# Altium PCB PCB1.PcbDoc (part 1 of 4) (continued)
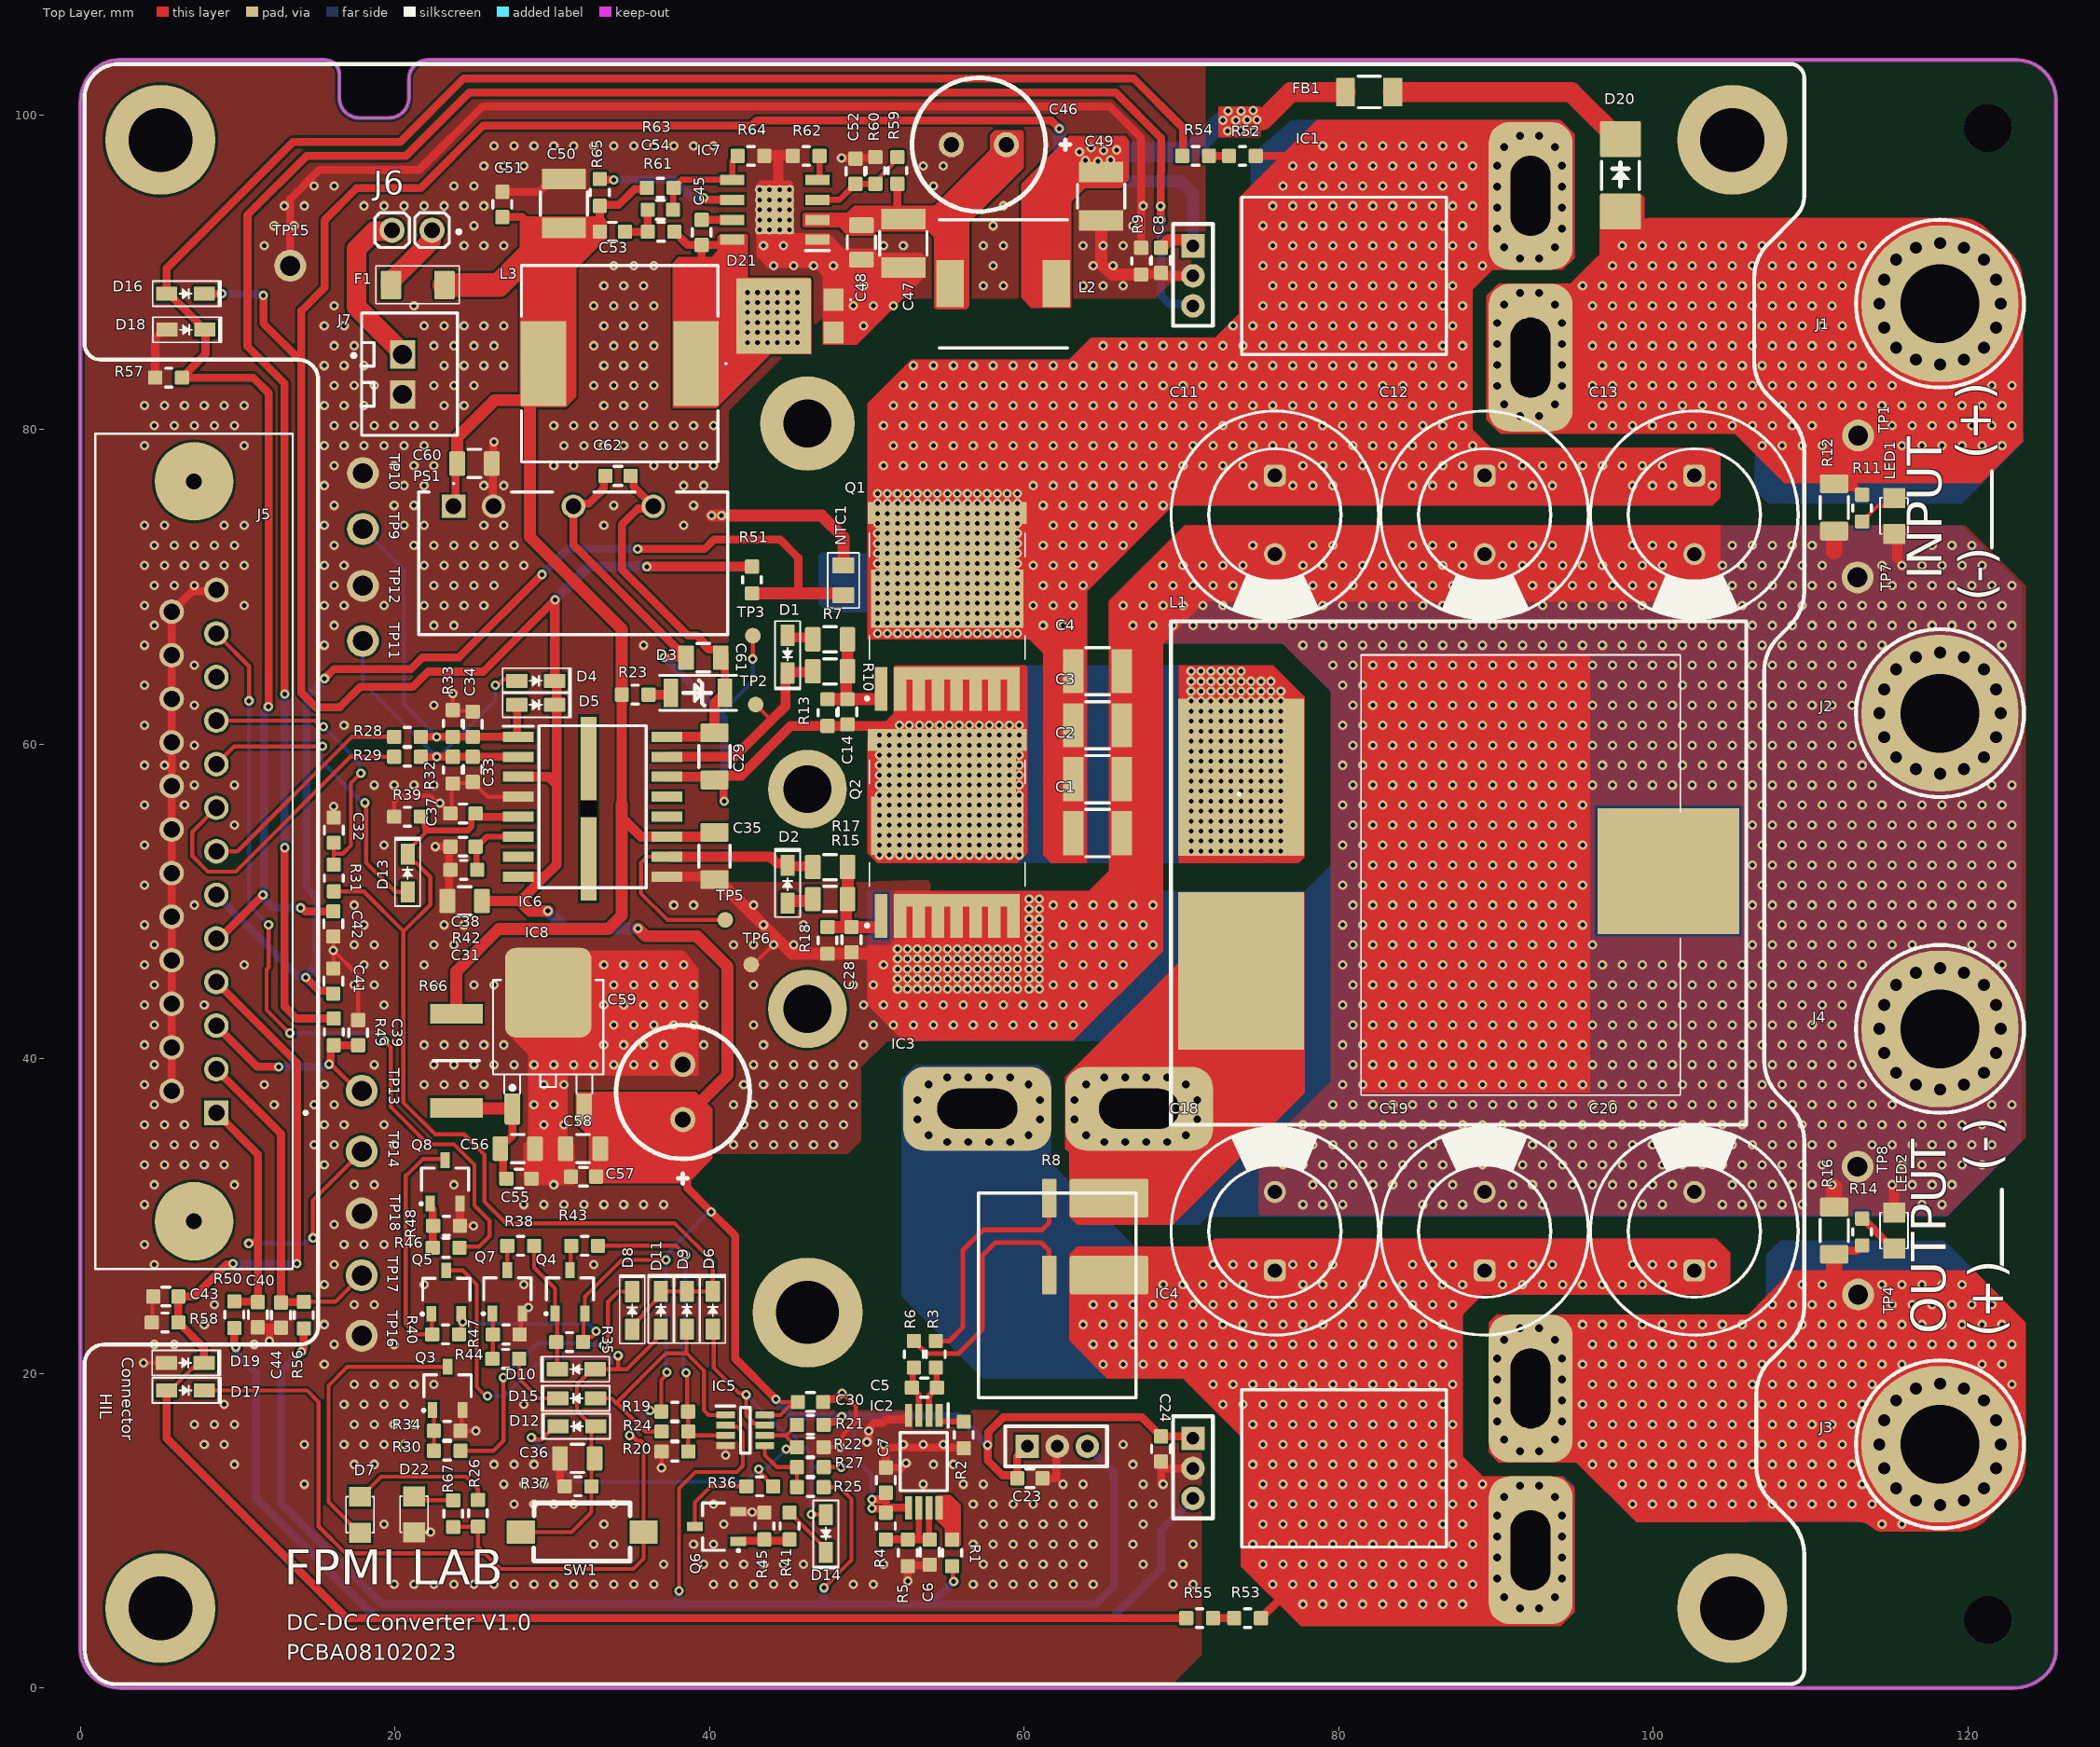
[diagram p0: Top Layer view]
## Footprints (in the part's own frame and the unit in brackets; to place one, negate y for a bottom-side part, rotate by r counter-clockwise, add the part's x,y. Pads: shape width x height; smd on the part's side, far side on the other; paste and mask are expansions set on the pad) (continued)
  round 5 hole 1 unplated: ""(-23.52,0) ""(23.52,0)
  silkscreen extent -26.55,-6.27 26.55,7.2
TO252-123 [mm]
  round 0.5 on Mech15: 0(0,0)
  rrect25% 1x2 smd mask+0.07: 1(-2.285,-3.7) 3(2.285,-3.7)
  rrect25% 5.5x5.7 smd mask+0.07: 2(0,3.7)
  silkscreen extent -3.5,-2.7 3.5,4.5, body extent -3.3,-3.95 3.3,5.76, height 2.31
TP_1mm [mm] "Surface"
  round 1 smd mask+0.07: 1(0,0)
  body extent -0.5,-0.5 0.5,0.5, height 0.2
TP_1mm_through_hole [mil]
  round 80 hole 50: 1(0,0)
  body extent -45,-45 45,45, height 197
V8P12M386A [mm]
  rect 1.4x1.27 smd: 1(1.04,-2.765) 2(-1.04,-2.765)
  rect 4.8x4.72 smd: 3(0,1.04)
  silkscreen extent 0.99,-3.9 1.09,-3.8, body extent -2.15,-3.27 2.15,3.05, height 1.3

## Part data
C1 C2 C3 C4 C15 C16 C17 C25 C26 C27 C47 C49: library part "Cap 1210", "CAP CER 4.7uF 80V X7R 1210", Manufacturer="TDK Corporation", Package=1210, Category=Capacitors, Description std="CAP CER 4.7UF 100V X7S 1210", Digikey Price/1kU=0.56250, Digikey Price/1unit=1.64, Link=https://www.digikey.com/product-detail/en/tdk-corporation/C3225X7S2A475M200AB/445-6043-2-ND/2443521, Part Number=GRM32ER71K475KE14L
C5: library part Cap_Cer_0603_1nF, "CAP CER DNF 100V X7R 0603", Manufacturer="Murata Electronics", Part Number=GCM188R71E102KA37D, Description SEL="CAP CER 1000PF 25V X7R 0603", Footprint Type=SMD, Part Code=S1200-000081, Point=2
C6 C7: library part Cap_Cer_0603_1nF, "CAP CER 0.1UF 50V X7R 0603", Manufacturer="Murata Electronics", Part Number=GCM188R71E102KA37D, Description SEL="CAP CER 1000PF 25V X7R 0603", Footprint Type=SMD, Part Code=S1200-000081, Point=2
C8 C23 C24 C32: library part Cap_Cer_0603_1nF_25V, "CAP CER 0.1UF 16V X5R 0603", Manufacturer="Murata Electronics", Part Number=CL21A106KOCLRNC, Description SEL="CAP CER 10UF 16V X5R 0805", Footprint Type=SMD, Part Code=S1200-000082, Point=2
C9 C10 C21 C22 C29 C35: library part Cap_Cer_1206_1uF, "Ceramic Capacitor 1206 (+-10% TH)/(+10%SMD)", Manufacturer="TDK Corporation", Part Number=C3216X7R2A105K160AA, Description SEL="CAP CER 1UF 100V X7R 1206", Footprint Type=SMD, Part Code=S1200-000129, Point=2
C11 C12 C13 C18 C19 C20: library part 100ZLH470MEFC16X31.5, "CAP ALUM 470UF 20% 80V RADIAL", Arrow Part Number=EEU-FS1K471L, Manufacturer_Name="Panasonic Electronic Components", Arrow Price/Stock=https://www.arrow.com/en/products/100zlh470mefc16x31.5/rubycon?region=nac, Height=33.5mm, Mouser Part Number=EEU-FS1K471L, Mouser Price/Stock=https://www.digikey.com/en/products/detail/panasonic-electronic-components/EEU-FS1K471L/9597020, Part Number=EEU-FS1K471L
C14 C28: library part Cap_Cer_0603_1nF_25V, "CAP CER 0805 4.7NF 50V C0G 5%", Manufacturer=KEMET, Part Number=C0805C472J5GECAUTO, Description SEL="CAP CER 0805 4.7NF 50V C0G 5%", Footprint Type=SMD, Part Code=S1200-000082, Point=2
C30: library part Cap_Cer_0603_1nF_25V, "CAP CER 10UF 16V X5R 0805", Manufacturer="Murata Electronics", Part Number=CL21A106KOCLRNC, Description SEL="CAP CER 10UF 16V X5R 0805", Footprint Type=SMD, Part Code=S1200-000082, Point=2
C31 C36 C56 C58: library part Cap_Cer_0805_10pF, "CAP CER 10uF 16V X7R 0805", Manufacturer=Kemet, Part Number=CL21A106KOCLRNC, Description SEL="CAP CER 10uF 16V X7R 0805", Footprint Type=SMD, Part Code=S1200-000116, Point=2
C33 C34 C37 C38 C39 C40 C42 C43 C44: library part Cap_Cer_0603_1nF_25V, "CAP CER 1nF 50V X7R 0603", Manufacturer="Murata Electronics", Part Number=GCM188R71E102KA37D, Description SEL="CAP CER 1000PF 25V X7R 0603", Footprint Type=SMD, Part Code=S1200-000082, Point=2
C41 C55 C57 C62: library part Cap_Cer_0805_10pF, "CAP CER 0.1uF 50V X7R 0603", Manufacturer=Kemet, Part Number=CL10C680JB81PNC, Description SEL="CAP CER 68pF 50V C0G 0603", Footprint Type=SMD, Part Code=S1200-000116, Point=2
C45: library part Cap_Cer_0805_10pF, "CAP CER 2.2nF 50V X7R 0805", Manufacturer="Samsung Electro-Mechanics", Part Number=C0805C222J5GEC7800, Description SEL="CAP CER 2.2nF 50V X7R 0603", Footprint Type=SMD, Part Code=S1200-000116, Point=2
C46: library part S1200-000209, "CAP ALUM 33UF 20% 80V RADIAL", Manufacturer=PANASONIC, Part Number=80ZLH33MEFC6.3X11, Description SEL="CAP ALUM 33UF 20% 80V RADIAL", Footprint Type=TH, Part Code=S1200-000209, Point=2
C48: library part Cap_Cer_0805_10pF, "CAP CER 0.1uF 50V X7R 0805", Manufacturer="Samsung Electro-Mechanics", Part Number=CL21B104KBCNNNC, Description SEL="10pF 50VDC", Footprint Type=SMD, Part Code=S1200-000116, Point=2
C50: library part Cap_Cer_0805_10pF, "CAP CER 22uF 16V X7R 1210", Manufacturer="Samsung Electro-Mechanics", Part Number=CL32A226KOJNNNE, Description SEL="CAP CER 22uF 16V X7R 1210", Footprint Type=SMD, Part Code=S1200-000116, Point=2
C51: library part Cap_Cer_0603_0.1uF_25V, "CAP CER 0.1UF 25V X8R 0603", Manufacturer="Murata Electronics", Part Number=GCM188R91E104KA37J, Description SEL="CAP CER 0.1UF 25V X8R 0603", Footprint Type=SMD, Part Code=S1200-000077, Point=2
C52: library part Cap_Cer_0603_0.1uF_100V, "CAP CER 0.1UF 100V X7R 0603", Manufacturer="Murata Electronics", Part Number=GRM188R72A104KA35D, Description SEL="CAP CER 0.1UF 100V X7R 0603", Footprint Type=SMD, Part Code=S1200-000079, Point=2
C53: library part Cap_Cer_0805_10pF, "CAP CER 0805 3.3NF 50V C0G 1%", Manufacturer=Kemet, Part Number=C0805C332F5GECAUTO, Description SEL="10pF 50VDC", Footprint Type=SMD, Part Code=S1200-000116, Point=2
C54: library part Cap_Cer_0805_10pF, "CAP CER 68pF 50V C0G 0603", Manufacturer=Kemet, Part Number=CL10C680JB81PNC, Description SEL="CAP CER 68pF 50V C0G 0603", Footprint Type=SMD, Part Code=S1200-000116, Point=2
C59: library part S1200-000039, "CAP ALUM 470UF 20% 25V RADIAL", Manufacturer=Rubycon, Part Number=16YXJ220MT16.3X11, Description SEL="CAP ALUM 470UF 20% 25V RADIAL", Footprint Type=TH, Part Code=S1200-000039, Point=2
C60: library part Cap_Cer_0805_10pF, "CAP CER 2.2uF 50V X7R 0805", Manufacturer="Samsung Electro-Mechanics", Part Number=CL31B225KBHNNNE, Description SEL="10pF 50VDC", Footprint Type=SMD, Part Code=S1200-000116, Point=2
C61: library part Cap_Cer_0805_10pF, "CAP CER 4.7uF 50V X7R 0805", Manufacturer="Samsung Electro-Mechanics", Part Number=CL31B225KBHNNNE, Description SEL="10pF 50VDC", Footprint Type=SMD, Part Code=S1200-000116, Point=2
D1 D2: library part PMEG2010AEJ,115, "DIODE SCHOTTKY 20V 1A SOD323F", Current="1A (DC)", Footprint/Package=SOD-323F, Manufacturer="Nexperia USA Inc.", Voltage="20 V", Category=DIODE, Footprint Type=SMD, Part Number=PMEG2010AEJ,115
D3 D6 D8 D9 D10 D11 D12 D13 D14 D15 D16 D17 D18 D19: "DIODE SCHOTTKY 20V 1A SOD323F", Current="1A (DC)", Footprint/Package=SOD-323F, Manufacturer="Nexperia USA Inc.", Voltage="20 V", Category=DIODE, Footprint Type=SMD, Part Number=PMEG2010AEJ,115
D4 D5: "DIODE SCHOTTKY 30V 0.2A SOD323F", Current="0.2A (DC)", Footprint/Package=SOD-323F, Manufacturer="Nexperia USA Inc.", Part Number=BAT54HT1G, Voltage="20 V", Category=DIODE, Footprint Type=SMD
D7 D22: "LED RED DIFFUSED 0805 SMD", Manufacturer="OSRAM Opto Semiconductors Inc.", Part Number="LS R976-NR-1", Category=LED, Footprint Type=SMD
D20: library part SS34, "DIODE SCHOTTKY 100V 2A SMA", Manufacturer="SMC Diode Solutions", Part Number=SS310, Description SEL="DIODE SCHOTTKY 100V 3A SMA", Footprint Type=SMA, Packaging=DIODE_Schottky_DO214, Part Code=S1500-000030, Point=2
D21: library part V8P12-M3_86A, "DIODE SCHOTTKY 120V 8A TO277A", Manufacturer_Name=Vishay, Mouser Part Number=78-V8P12-M3/86A, Arrow Part Number=V8P12-M3/86A, Arrow Price/Stock=https://www.arrow.com/en/products/v8p12-m386a/vishay?region=nac, Datasheet Link=https://www.vishay.com/docs/89170/v8p12.pdf, Height=1.2mm, Mouser Price/Stock=https://www.mouser.co.uk/ProductDetail/Vishay-General-Semiconductor/V8P12-M3-86A?qs=HSPD0Bff7iYR%2FGS73JOLOg%3D%3D, Part Number=V8P12-M3/86A
F1: library part Fuse, "Fuse 125V 1A 2-SMD 2410", Arrow Part Number=0679L1000-01, Manufacturer_Name="Bel Circuit Protection", Arrow Price/Stock=https://www.arrow.com/en/products/0679l1000-01/bel-group, Datasheet Link=https://belfuse.com/resources/datasheets/circuitprotection/ds-cp-0679l-series.pdf, Height=2.79mm, Manufacturer_Part_Number=0679L1000-01
FB1: "FERRITE BEAD 270 OHM 1206 1LN", Manufacturer="Murata Electronics", Part Number=BLM31KN271SH1L, Description SEL="FERRITE BEAD 270 OHM 1206 1LN", Footprint Type=SMD, Part Code=S1100-000016, Point=2
IC1 IC3 IC4: "Integrated Circuit", Manufacturer_Name="Allegro Microsystems", Mouser Part Number=250-758LCB100BPFFT, Arrow Part Number=ACS758LCB-100B-PFF-T, Arrow Price/Stock=https://www.arrow.com/en/products/acs758lcb-100b-pff-t/allegro-microsystems?region=nac, Datasheet Link=https://www.allegromicro.com/-/media/files/datasheets/acs758-datasheet.ashx, Height=7.1mm, Manufacturer_Part_Number=ACS758LCB-100B-PFF-T, Mouser Price/Stock=https://www.mouser.co.uk/ProductDetail/Allegro-MicroSystems/ACS758LCB-100B-PFF-T?qs=pUKx8fyJudA0WtlqV%2Fcrcw%3D%3D
IC2: "Integrated Circuit", Manufacturer_Name="Texas Instruments", Mouser Part Number=595-INA240A1PWR, Arrow Part Number=INA240A1PWR, Arrow Price/Stock=https://www.arrow.com/en/products/ina240a1pwr/texas-instruments?region=nac, Datasheet Link=http://www.ti.com/lit/gpn/INA240, Height=1.2mm, Manufacturer_Part_Number=INA240A1PWR, Mouser Price/Stock=https://www.mouser.co.uk/ProductDetail/Texas-Instruments/INA240A1PWR?qs=aVyJF2WnouTDXnRi6tpqfA%3D%3D
IC5: "IC COMPARATOR 2 GEN PUR TSOT23-8", Manufacturer_Name="Texas Instruments", Mouser Part Number=595-TLV7022DDFR, Arrow Part Number=TLV7022DDFR, Arrow Price/Stock=https://www.arrow.com/en/products/tlv7022ddfr/texas-instruments?region=nac, Height=1.1mm, Mouser Price/Stock=https://www.mouser.co.uk/ProductDetail/Texas-Instruments/TLV7022DDFR?qs=DPoM0jnrROVunnoIjN7Ztg%3D%3D, Part Number=TLV7022DDFR
IC6: "REINFORCED ISOLATION DUAL-CHANNE", Manufacturer_Name="Texas Instruments", Mouser Part Number=595-UCC21542DWR, Datasheet Link=https://www.ti.com/lit/ds/symlink/ucc21542.pdf?ts=1623395410745&ref_url=https%253A%252F%252Fwww.ti.com%252Fstore%252Fti%252Fen%252Fp%252Fproduct%252F%253Fp%253DUCC21542DWKR, Height=2.65mm, Mouser Price/Stock=https://www.mouser.co.uk/ProductDetail/Texas-Instruments/UCC21542DWR?qs=DRkmTr78QARxjB5fL7Hhaw%3D%3D, Part Number=UCC21542DWR
IC7: library part LM5012DDAR, "IC REG BUCK ADJ 3.5A 8SO PWR", Part Number=LM5013DDAR
IC8: "IC REG LINEAR 5V 1A TO252-2", Manufacture="Rohm Semiconductor", Category=IC, ComponentLink1Description="Manufacturer Link", ComponentLink1URL=http://www.st.com/, ComponentLink2Description=Datasheet, ComponentLink2URL=http://www.st.com/stonline/products/literature/ds/2146/l78m05c.pdf, Footprint Type=SMD, Part Number=BA50BC0FP-E2
J1 J2 J3 J4: library part CONN_1P, "Electric Pole 1", Footprint/Package=Nonstandard, Footprint Type=TH
J5: "25 Position D-Sub Receptacle, Female Sockets Connector", Package=None, Availability=Unavailable, MF="TE Connectivity", MP=2301841-2, Price=None, SnapEDA_Link=https://www.snapeda.com/parts/2301841-2/TE%20Connectivity%20AMP%20Connectors/view-part/3597269/?ref=snap, TE_purchase_URL=https://www.te.com/usa-en/product-2301841-2.html?te_bu=Cor&te_type=disp&te_campaign=seda_glo_cor-seda-global-disp-prtnr-fy19-seda-model-bom-cta_sma-317_1&elqCampaignId=32493
J7: library part Header_2, Manufacturer="JST Sales America Inc.", Part Number=B2B-XH-A(LF)(SN), Description SEL="CONN HEADER VERT 2POS 2.5MM", Footprint Type=TH, Part Code=S1900-000037, Point=2
L1: library part IHDF1300AEEH4R7K10, "6.8 µH Shielded Wirewound Inductor 50 A 1.6mOhm Max Nonstandard Mn-Zn Ferrite Low Loss", Manufacturer_Name=Vishay, Datasheet Link=https://www.vishay.com/docs/34538/ihdf-1300ae-10.pdf, Height=15.4mm, Mouser Part Number=CSCF3218-6R8MC, Mouser Price/Stock=https://www.mouser.co.uk/ProductDetail/Vishay-Dale/IHDF1300AEEH4R7K10?qs=rkhjVJ6%2F3EKAMBQJjlTUTQ%3D%3D, Part Number=CSCF3218-6R8MC
L2: "Inductor", Arrow Part Number=1217AS-H-8R2M=P3, Manufacturer_Name="Murata Electronics", Mouser Part Number=81-1217AS-H-8R2MP3, Arrow Price/Stock=https://www.arrow.com/en/products/1217as-h-8r2mp3/murata-manufacturing, Datasheet Link=https://psearch.en.murata.com/inductor/product/1217AS-H-8R2M%23.html, Height=4.5mm, Manufacturer_Part_Number=1217AS-H-8R2M=P3, Mouser Price/Stock=https://www.mouser.co.uk/ProductDetail/Murata-Electronics/1217AS-H-8R2M%3dP3?qs=4tuKoHGzn116ThiZXqrSgw%3D%3D
L3: library part Inductor, "FIXED IND 22UH 6A 33.1 MOHM SMD", Manufacturer="Taiyo Yuden", Part Number=HCM1A1307V2-220-R, Category=Inductor, Footprint Type=SMD
LED1 LED2: library part LED-SMD-0805, "LED BLUE 1/4W 0805"
NTC1: library part "NTC 10k 1%", "THERMISTOR NTC 10KOHM 3940K 0805", Manufacturer="Vishay Beyschlag/Draloric/BC Components", Part Number=NTCS0805E3103JHT, Power=1/10W, Tolerance=0.1%, Description SEL="THERMISTOR NTC 10KOHM 3940K 0805", Footprint Type=SMD, Part Code=S1100-000169, Point=2
PS1: "Power Supply", Manufacturer_Name="Mornsun Power", Datasheet Link=https://www.mornsun-power.com/public/uploads/pdf/B_S-2WR3.pdf, Height=10.41mm, Manufacturer_Part_Number=B1212S-2W
Q1 Q2: library part IPLU300N04S4R8XTMA1, "MOSFET N-CH 80V 240A 8HPSOF", Manufacturer_Name=Infineon, Arrow Part Number=IPLU300N04S4R8XTMA1, Height=2.3mm, Mouser Part Number=FDBL0210N80, Part Number=FDBL0210N80
Q3: library part S1555-000011, "MOSFET N-CH 20V 3.7A", Manufacturer=INFINEON, Part Number=DMP2160U-7, Description SEL="P-Channel 20 V 3.7A (Ta) 1.3W (Ta) Surface Mount Micro3™/SOT-23", Footprint Type=SMD, Packaging=SOT23-3, Part Code=S1555-000011, Point=3
Q4 Q5: library part S1555-000011, "MOSFET P-CH 20V 3.7A", Manufacturer=INFINEON, Part Number=DMP2160U-7, Description SEL="P-Channel 20 V 3.7A (Ta) 1.3W (Ta) Surface Mount Micro3™/SOT-23", Footprint Type=SMD, Packaging=SOT23-3, Part Code=S1555-000011, Point=3
Q6 Q7 Q8: "Transistor BJT NPN", Manufacturer_Name="Comchip Technology", Mouser Part Number=750-SS8050-G, Arrow Part Number=SS8050-G, Arrow Price/Stock=https://www.arrow.com/en/products/ss8050-g/comchip-technology?region=nac, Datasheet Link=https://datasheet.datasheetarchive.com/originals/distributors/DKDS-12/229454.pdf, Height=1.15mm, Manufacturer_Part_Number=SS8050-G, Mouser Price/Stock=https://www.mouser.co.uk/ProductDetail/Comchip-Technology/SS8050-G?qs=LLUE9lz1YbcHg%252BWLMAtcrQ%3D%3D
R1 R2: library part "Resistor_0603_10Ohm 1%", "RES 0 OHM 1% 1/8W 0603", Manufacturer="KOA Speer Electronics, Inc.", Part Number=RK73H1JRTTD10R0F, Power=1/8W, Tolerance=1%, Description SEL="RES 10 OHM 1% 1/8W 0603", Footprint Type=SMD, Part Code=S1100-000044, Point=2
R3 R6: library part "Resistor_0603_10Ohm 1%", "RES 10 OHM 1% 1/8W 0603", Manufacturer="KOA Speer Electronics, Inc.", Part Number=RK73H1JRTTD10R0F, Power=1/8W, Tolerance=1%, Description SEL="RES 10 OHM 1% 1/8W 0603", Footprint Type=SMD, Part Code=S1100-000044, Point=2
R4 R5: library part "Resistor_0603_10Ohm 1%", "RES 2k OHM 1% 1/8W 0603", Manufacturer="KOA Speer Electronics, Inc.", Part Number=RK73H1JRTTD10R0F, Power=1/8W, Tolerance=1%, Description SEL="RES 10 OHM 1% 1/8W 0603", Footprint Type=SMD, Part Code=S1100-000044, Point=2
R7 R10 R15 R17: library part Resistor_0805_10Ohm, "RES 10 OHM 1% 1/8W 0805", Manufacturer=YAGEO, Part Number=RE0805FRE0710RL, Power=1/8W, Tolerance=1%, Description SEL="RES SMD 10 OHM 1% 1/8W 0805", Footprint Type=SMD, Part Code=S1100-000072, Point=2
R8: library part PSG4NTEBL500F, "RES 1m OHM 1% 10W NONSTANDARD", Footprint/Package=Nonstandard, Manufacturer="KOA Speer Electronics, Inc.", Tolerance=±1%, Category=Resistor, Footprint Type=SMD, Part Number=PSG4NTEBL500F
R9: library part "Resistor_0603_10kOhm 1%", "RES 0 OHM 1% 1/10W 0603", Manufacturer=YAGEO, Part Number=RC0603FR-7W10KL, Power=1/10W, Tolerance=1%, Description SEL="RES 10K OHM 1% 1/10W 0603", Footprint Type=SMD, Part Code=S1100-000043, Point=2
R11 R14: library part "Resistor_0603_10Ohm 1%", "RES 47K OHM 1% 1/10W 0603", Manufacturer=YAGEO, Part Number=RC0603FR-07100KL, Power=1/8W, Tolerance=1%, Description SEL="RES 10 OHM 1% 1/8W 0603", Footprint Type=SMD, Part Code=S1100-000044, Point=2
R12 R16: library part Resistor_1206_0Ohm, "RES 47K OHM 1/4W 1206", Manufacturer=YAGEO, Part Number=RC1206JR-070RL, Power=1/4W, Tolerance=Jumper, Description SEL="RES 0 OHM JUMPER 1/4W 1206", Footprint Type=SMD, Part Code=S1100-000177, Point=2
R13 R18 R51: library part "Resistor_0603_10kOhm 1%", "RES 10K OHM 1% 1/10W 0603", Manufacturer=YAGEO, Part Number=RC0603FR-7W10KL, Power=1/10W, Tolerance=1%, Description SEL="RES 10K OHM 1% 1/10W 0603", Footprint Type=SMD, Part Code=S1100-000043, Point=2
R19 R20 R24 R27: library part Resistor_0603_1_MegaOhm_1%, "RES 1M OHM 1% 1/10W 0603", Manufacturer=YAGEO, Part Number=RC0603FR-071ML, Power=1/10W, Tolerance=1%, Description SEL="RES 1M OHM 1% 1/10W 0603", Footprint Type=SMD, Part Code=S1100-000171, Point=2
R21 R22: library part "Resistor_0603_10Ohm 1%", "RES 300k OHM 1% 1/8W 0603", Manufacturer="KOA Speer Electronics, Inc.", Part Number=RT0603FRE07300KL, Power=1/8W, Tolerance=1%, Description SEL="RES 300k OHM 1% 1/8W 0603", Footprint Type=SMD, Part Code=S1100-000044, Point=2
R23: library part Resistor_0603_1Ohm, "RES 1OHM 1% 1/8W 0603", Manufacturer="Vishay Dale", Part Number=MCT06030C1008FP500, Power=1/8W, Tolerance=1%, Description SEL="RES 1 OHM 1% 1/8W 0603", Footprint Type=SMD, Part Code=S1100-000140, Point=2
R25: library part "Resistor_0603_10Ohm 1%", "RES 250k OHM 1% 1/8W 0603", Manufacturer="KOA Speer Electronics, Inc.", Part Number=RNCF0805BTE250K, Power=1/8W, Tolerance=1%, Description SEL="RES 250k OHM 1% 1/8W 0603", Footprint Type=SMD, Part Code=S1100-000044, Point=2
R26 R67: library part Resistor_0603_4.7kOhm, "RES 2K OHM 1% 1/10W 0603", Manufacturer=YAGEO, Part Number=RC0603FR-074K7L, Power=1/10W, Tolerance=1%, Description SEL="RES 4.7K OHM 1% 1/10W 0603", Footprint Type=SMD, Part Code=S1100-000158, Point=2
R28 R29: library part Resistor_0603_100Ohm, "RES 100 OHM 1% 1/8W 0603", Manufacturer="KOA Speer Electronics, Inc.", Part Number=RK73H1JRTTD1000F, Power=1/8W, Tolerance=1%, Description SEL="RES 100 OHM 1% 1/8W 0603", Footprint Type=SMD, Part Code=S1100-000052, Point=2
R30 R31 R38 R43 R59: library part "Resistor_0603_10Ohm 1%", "RES 200K OHM 1% 1/10W 0603", Manufacturer=YAGEO, Part Number=RC0603FR-13200KL, Power=1/8W, Tolerance=1%, Description SEL="RES 200K OHM 1% 1/10W 0603", Footprint Type=SMD, Part Code=S1100-000044, Point=2
R32 R33 R39 R42: library part Resistor_0603_100Ohm, "RES 10 kOHM 1% 1/8W 0603", Manufacturer="KOA Speer Electronics, Inc.", Part Number=RK73H1JRTTD1000F, Power=1/8W, Tolerance=1%, Description SEL="RES 100 OHM 1% 1/8W 0603", Footprint Type=SMD, Part Code=S1100-000052, Point=2
R34 R41 R44 R46: library part "Resistor_0603_10Ohm 1%", "RES 10K OHM 1% 1/10W 0603", Manufacturer=YAGEO, Part Number=RC0603FR-13200KL, Power=1/8W, Tolerance=1%, Description SEL="RES 200K OHM 1% 1/10W 0603", Footprint Type=SMD, Part Code=S1100-000044, Point=2
R35 R40 R45 R47 R48: library part "Resistor_0603_10Ohm 1%", "RES 47K OHM 1% 1/10W 0603", Manufacturer=YAGEO, Part Number=RC0603FR-13200KL, Power=1/8W, Tolerance=1%, Description SEL="RES 200K OHM 1% 1/10W 0603", Footprint Type=SMD, Part Code=S1100-000044, Point=2
R36 R37: library part "Resistor_0603_10Ohm 1%", "RES 1K OHM 1% 1/10W 0603", Manufacturer=YAGEO, Part Number=RC0603FR-13200KL, Power=1/8W, Tolerance=1%, Description SEL="RES 200K OHM 1% 1/10W 0603", Footprint Type=SMD, Part Code=S1100-000044, Point=2
R49 R50 R56: library part Resistor_0603_1kOhm, "RES 1K OHM 1% 1/10W 0603", Manufacturer="Vishay Dale", Part Number=CRCW06031K00FKTA, Power=1/10W, Tolerance=1%, Description SEL="RES 1K OHM 1% 1/10W 0603", Footprint Type=SMD, Part Code=S1100-000139, Point=2
R52 R53: library part Resistor_0603_220kOhm, "RES SMD 0 OHM 1% 1/8W 0603", Manufacturer="Vishay Beyschlag/Draloric/BC Components", Part Number=MCT06030C2203FP500, Power=1/8W, Tolerance=1%, Description SEL="RES SMD 220K OHM 1% 1/8W 0603", Footprint Type=SMD, Part Code=S1100-000053, Point=2
R54 R55: library part Resistor_0603_220kOhm, "RES SMD 150K OHM 1% 1/8W 0603", Manufacturer="Vishay Beyschlag/Draloric/BC Components", Part Number=MCT06030C2203FP500, Power=1/8W, Tolerance=1%, Description SEL="RES SMD 220K OHM 1% 1/8W 0603", Footprint Type=SMD, Part Code=S1100-000053, Point=2
R57 R58: library part Resistor_0603_220kOhm, "RES SMD 220K OHM 1% 1/8W 0603", Manufacturer="Vishay Beyschlag/Draloric/BC Components", Part Number=MCT06030C2203FP500, Power=1/8W, Tolerance=1%, Description SEL="RES SMD 220K OHM 1% 1/8W 0603", Footprint Type=SMD, Part Code=S1100-000053, Point=2
R60: library part "Resistor_0603_10Ohm 1%", "RES 24k OHM 1% 1/8W 0603", Manufacturer=YAGEO, Part Number=RC0603FR-1024KL, Power=1/8W, Tolerance=1%, Description SEL="RES 24K OHM 1% 1/10W 0603", Footprint Type=SMD, Part Code=S1100-000044, Point=2
R61: library part "Resistor_0603_10Ohm 1%", "RES 390k OHM 1% 1/8W 0603", Manufacturer=YAGEO, Part Number=RC0603FR-07390KL, Power=1/8W, Tolerance=1%, Description SEL="RES 390K OHM 1% 1/10W 0603", Footprint Type=SMD, Part Code=S1100-000044, Point=2
R62 R65: library part Resistor_0603_100kOhm, "RES SMD 100K OHM 1% 1/8W 0603", Manufacturer="Vishay Beyschlag/Draloric/BC Components", Part Number=MCT06030C1003FP500, Power=1/8W, Tolerance=1%, Description SEL="RES SMD 100K OHM 1% 1/8W 0603", Footprint Type=SMD, Part Code=S1100-000051, Point=2
R63: library part Resistor_0603_470kOhm, "RES SMD 470K OHM 1% 1/10W 0603", Manufacturer="Walsin Technology Corporation", Part Number="RES 470K OHM 1% 1/10W 0603", Power=1/10W, Tolerance=1%, Description SEL="RES SMD 470K OHM 1% 1/10W 0603", Footprint Type=SMD, Part Code=S1100-000056, Point=2
R64: library part Resistor_0603_51kOhm, "RES SMD 51K OHM 1% 1/8W 0603", Manufacturer=YAGEO, Part Number=RC0603FR-0751KL, Power=1/8W, Tolerance=1%, Description SEL="RES SMD 51K OHM 1% 1/8W 0603", Footprint Type=SMD, Part Code=S1100-000148, Point=2
R66: "Resistor", Manufacturer_Name=Vishay, Mouser Part Number=71-CRCW2512J-15-E3, Arrow Part Number=CRCW251215R0JNEG, Arrow Price/Stock=https://www.arrow.com/en/products/crcw251215r0jneg/vishay, Datasheet Link=http://www.vishay.com/docs/20035/dcrcwe3.pdf, Height=0.7mm, Manufacturer_Part_Number=CRCW251215R0JNEG, Mouser Price/Stock=https://www.mouser.co.uk/ProductDetail/Vishay-Dale/CRCW251215R0JNEG?qs=Z1AZHWO%2FsqLBwgjNhUTIZA%3D%3D
SW1: library part SW2, "Nút nhấn 2 chân dán 3x6x2.5mm", Category=Connector
TP1 TP4 TP7 TP8 TP9 TP10 TP11 TP12 TP13 TP14 TP15 TP16 TP17 TP18: "PC TEST POINT COMPACT RED", Manufacturer="Keystone Electronics", Part Number=5005
TP2 TP3 TP5 TP6: library part Test_Point_1mm, "Test Point", ComponentLink1Description="New link", ComponentLink2Description="New link", Creator="SELEX MOTORS JSC", Library Ref=Selex_Library
J6: Description SEL=Header_2_2p54, Footprint Type=TH, Part Code=S1900-000020, Point=2

## Free pads (board coordinates)
  rect 1.016x11.684 hole 1.016 square: 3(32.308,55.905)
  round 7 hole 4.064: ""(5.08,5.08) ""(5.08,98.425) ""(105.029,5.08) ""(105.029,98.425)
  round 7 hole 4: ""(46.228,23.876)
  round 5 hole 3.048: ""(46.228,43.18) ""(46.228,57.15)
  round 6 hole 3.048: ""(46.228,80.391)
  round 3.048 hole 3.048: ""(121.285,4.318) ""(121.285,99.187)

## Via types
v1: diameter 0.6, hole 0.3, Top Layer to Bottom Layer, tented both sides, 3446 vias
v2: diameter 1.016, hole 0.762, Top Layer to Bottom Layer, tented both sides, 48 vias
v3: diameter 0.762, hole 0.762, Top Layer to Bottom Layer, tented both sides, 16 vias

## Nets (pads, with @x,y where several pads share a name; then routed paths per layer and width w, separated by ;. In a path a pad name is that pad's centre, name@x,y a point inside that pad or via, vN(x,y) a via of type N, cw(c..) or ccw(c..) an arc to the next point about the centre after c; other vN are vias at no path point)
12P0_ISO: C29.2 C61.2 C62.2 D3.2 IC6.16 PS1.6 | length 24.8
  Top Layer w0.508: C62.2@34.976,77.064 35.172,76.868 35.172,76.385 PS1.6@36.424,75.133 36.282,74.991 35.443,74.991 34.417,73.965 34.417,71.12 38.62,66.917 39.211,66.917 39.641,66.486 39.641,66.315 39.939,66.017 40.46,66.017 40.706,65.771 C61.2@40.706,65.507 ; D3.2@40.97,63.271 C61.2@40.97,65.761
  Top Layer w0.635: IC6.16@37.287,60.477 C29.2@40.055,60.477 ; C29.2@40.309,60.731 40.309,62.61 D3.2@40.97,63.271
Boost_protection: D9.1 D15.1 IC5.1 R24.2 | length 18
  Top Layer w0.254: D15.1@32.747,18.415 33.757,18.415 34.061,18.11 37.236,21.285 38.532,21.285 ; 34.087,18.136 34.95,17.272 34.959,17.272 35.839,16.392 35.925,16.307 R24.2@36.946,16.307 ; D9.1@38.557,22.822 38.532,22.797 38.532,21.285 ; IC5.1@41.016,17.358 39.944,17.358 39.649,17.653 39.649,20.168 38.532,21.285
Buck_protection: D6.1 D14.1 IC5.7 R27.2 | length 21.6
  Top Layer w0.254: D6.1@40.208,22.822 40.259,22.771 40.259,20.371 41.889,18.741 42.228,18.741 v1(42.325,18.644) 42.325,17.328 42.847,16.806 43.418,16.806 IC5.7@43.516,16.708 ; v1(46.465,11.044) 47.382,11.044 D14.1@47.396,11.03 ; R27.2@47.255,14.046 v1(48.361,14.046) v1@48.438,14.046
  Bottom Layer w0.254: v1(42.325,18.644) 44.883,16.086 45.246,16.086 46.457,14.875 46.457,14.054 46.465,14.046 ; v1(46.465,11.044) 46.465,14.046 ; v1(48.361,14.046) 46.465,14.046
DIS: C37.2 D6.2 D8.1 D9.2 D11.2 D13.2 IC6.5 R31.1 R39.2 | length 66.6
  Top Layer w0.254: R31.1@16.104,50.649 18.007,50.649 20.549,48.108 22.25,49.809 22.25,51.568 21.351,52.468 21.126,52.468 20.803,52.791 20.803,53.241 21.9,54.338 21.9,54.757 ; 20.523,48.133 20.523,37.238 22.557,35.204 24.384,35.204 25.679,33.909 25.679,30.937 27.076,29.54 37.795,29.54 40.208,27.127 D6.2@40.208,25.222 D9.2@38.557,25.222 D11.2@36.906,25.222 36.583,24.899 36.583,24.635 35.823,23.875 35.823,23.773 35.077,23.028 D8.1@35.077,22.803
  Top Layer w0.381: R39.2@21.64,55.397 21.9,55.138 21.9,54.757 22.123,54.534 24.638,54.534 24.861,54.757 24.861,55.341 C37.2@25.12,55.601
  Top Layer w0.508: C37.2@25.12,55.601 25.324,55.397 IC6.5@27.837,55.397